# Altium PCB AB1000_BB_V6_fin.PcbDoc
Units mm, origin at the board's own origin, x right, y up, seen from the top; angles counter-clockwise.
Board outline 61.8 x 77.5 mm, 2 copper layers (Top Layer, Bottom Layer), stack 1.581 mm thick; 50 components, 46 nets, 245 pads, 69 vias.
Unrouted connection lines stored in the file: 22.
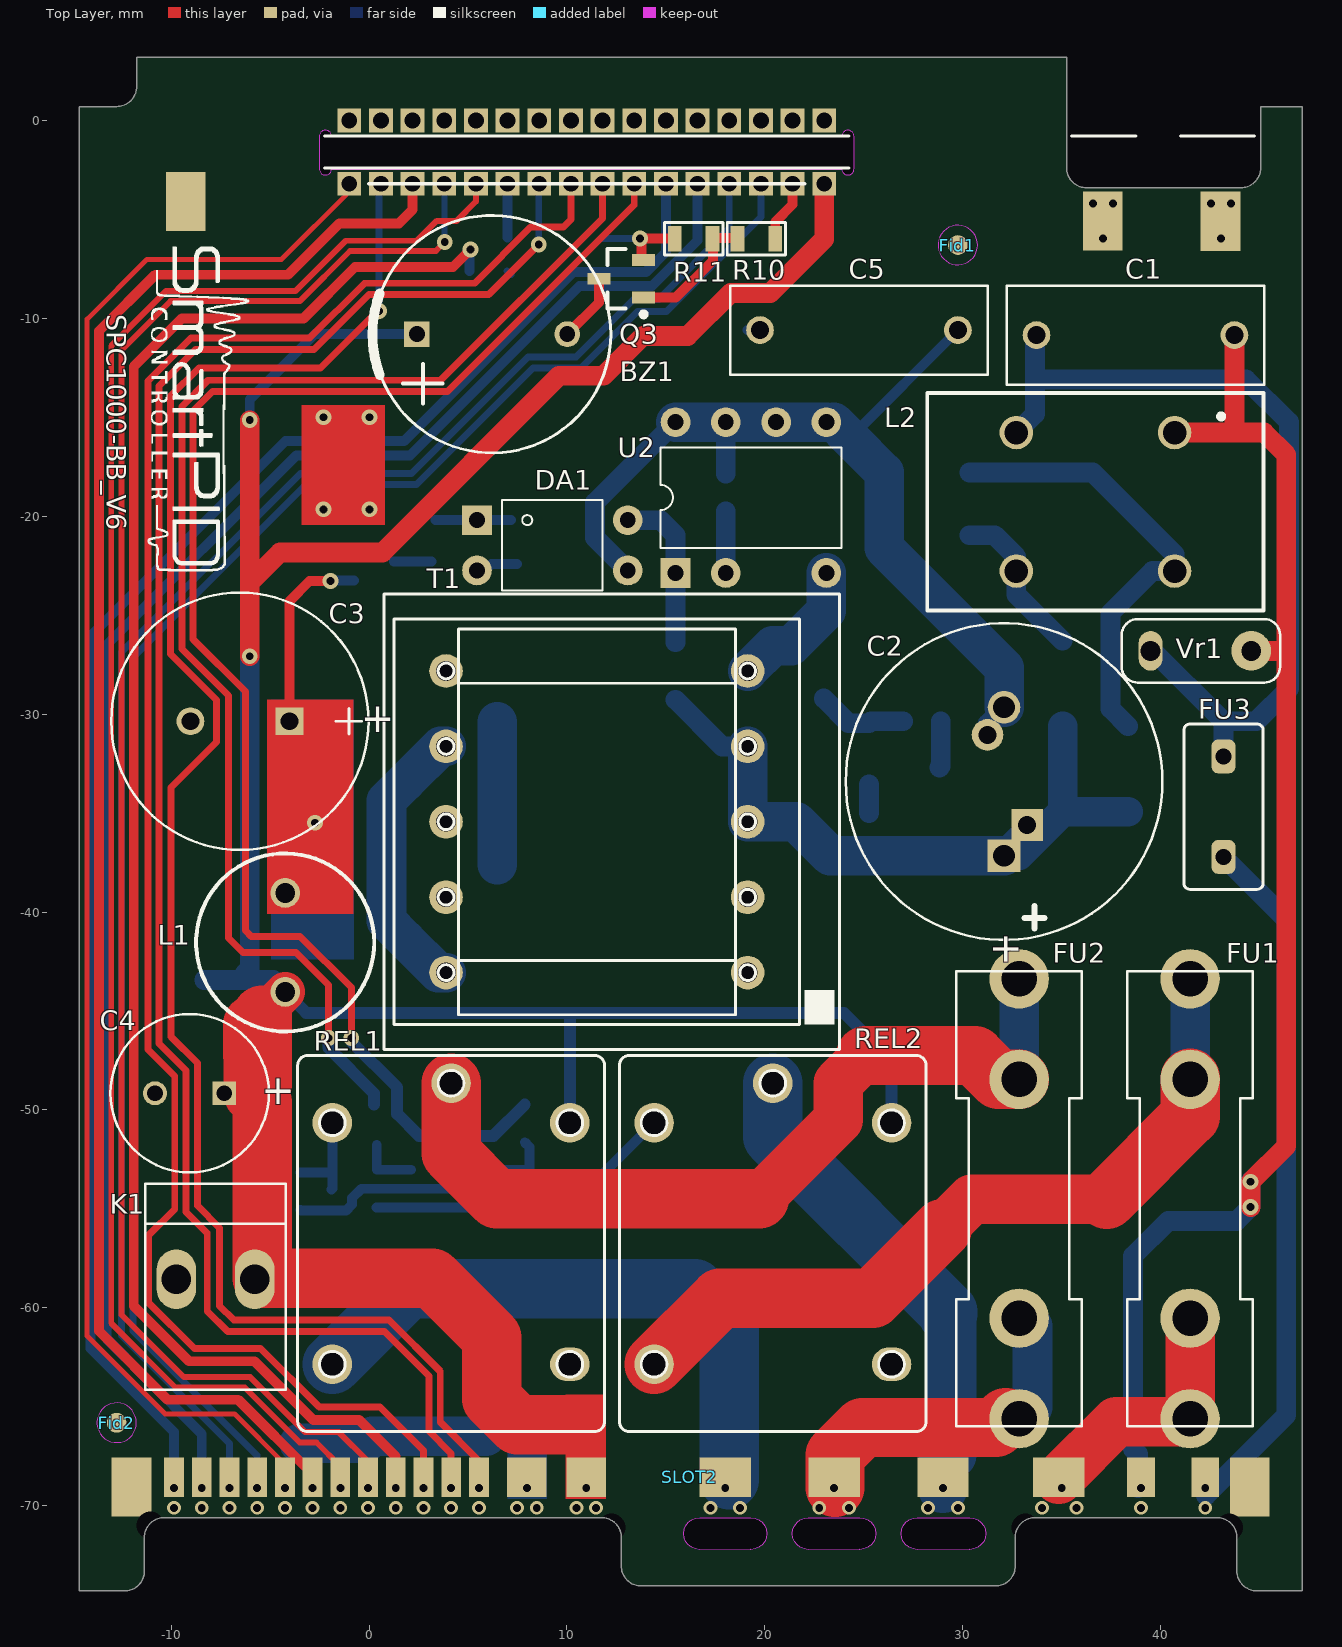
[diagram p0: Top Layer view]
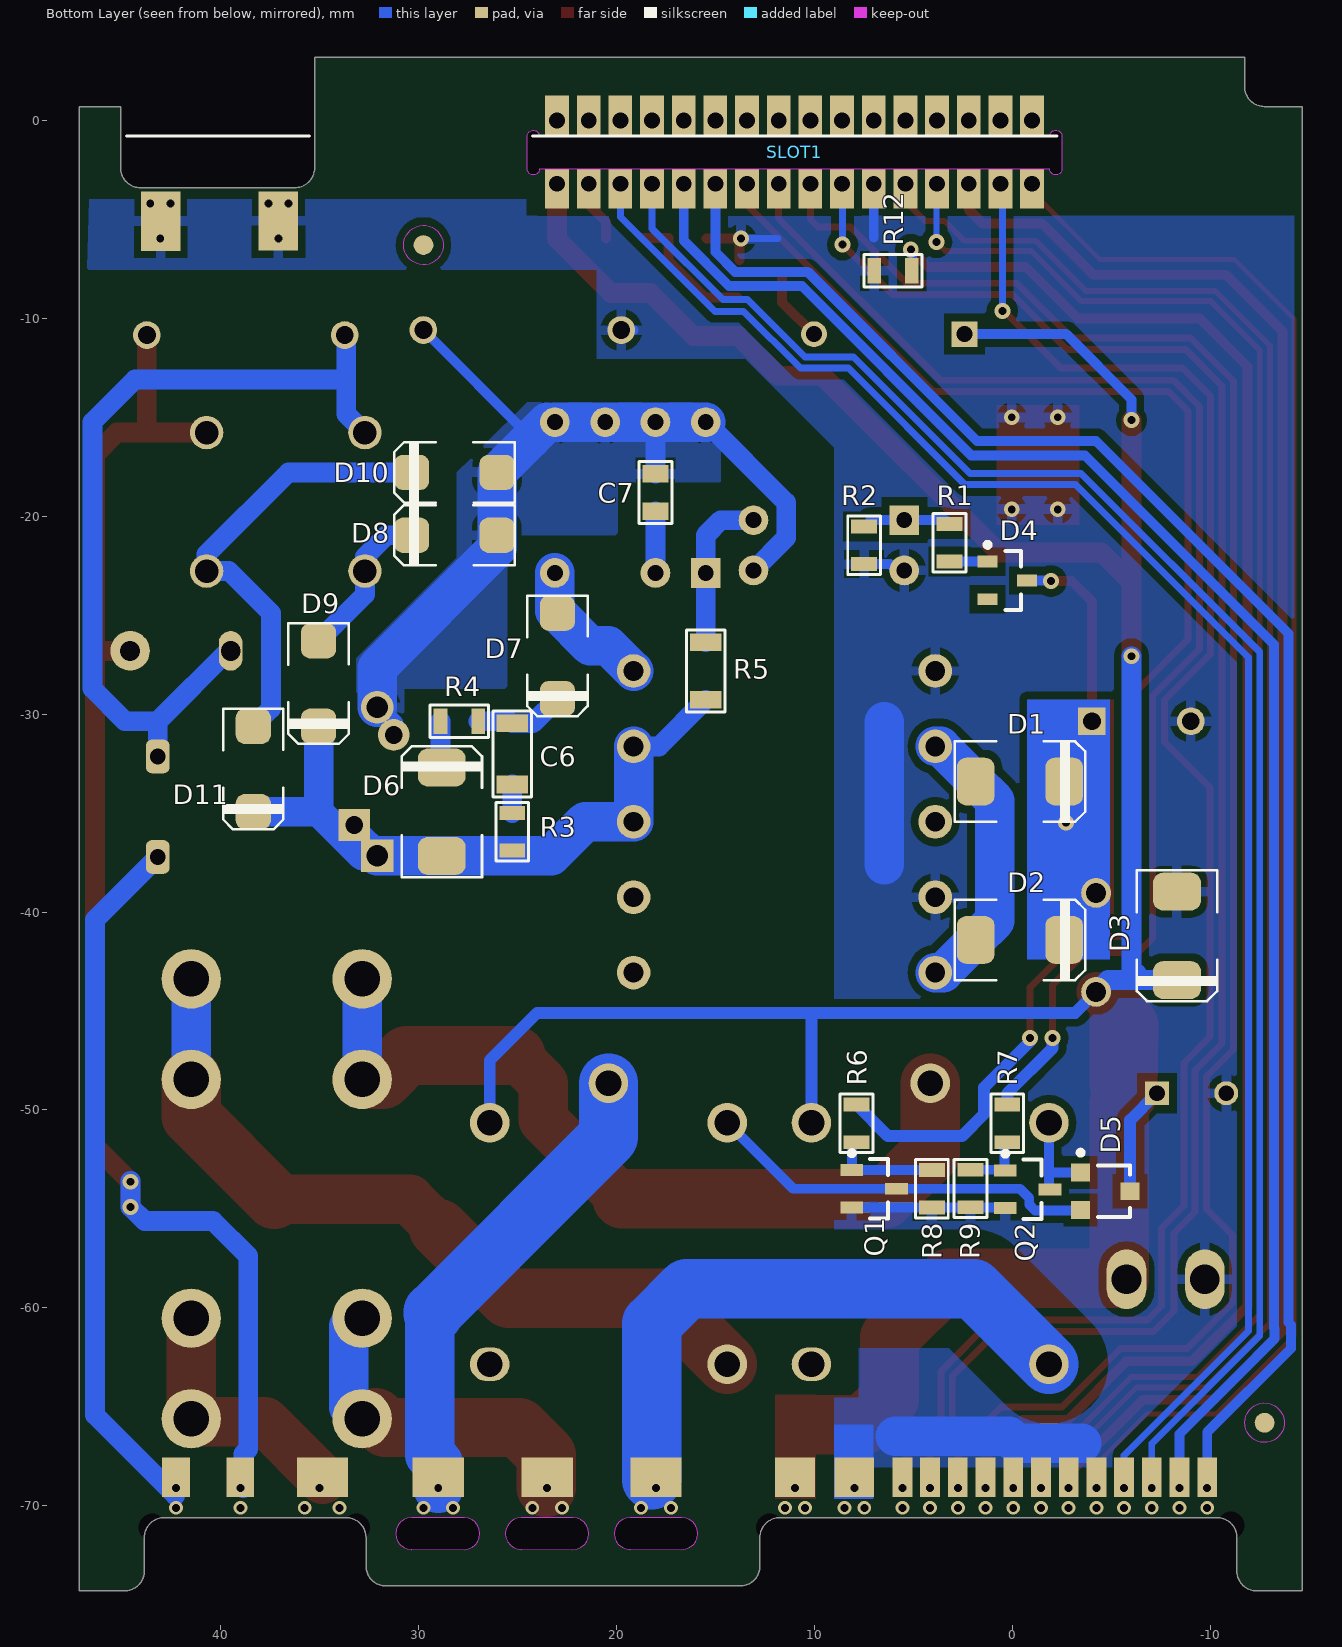
[diagram p1: Bottom Layer view, seen from below]
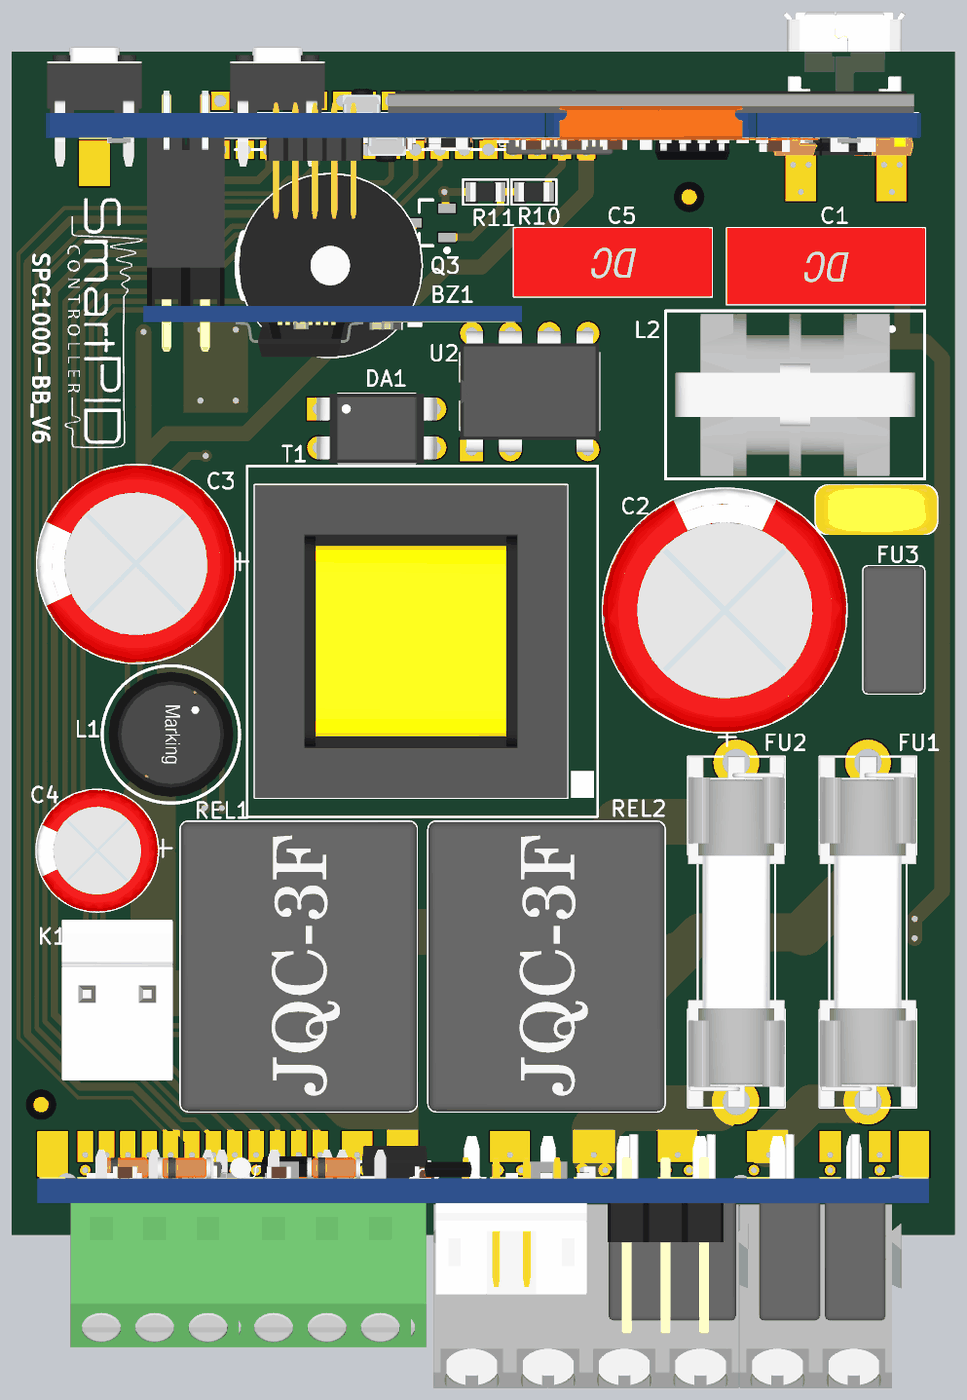
[diagram p2: 3D render of the assembled board from above, using the file's embedded part models]
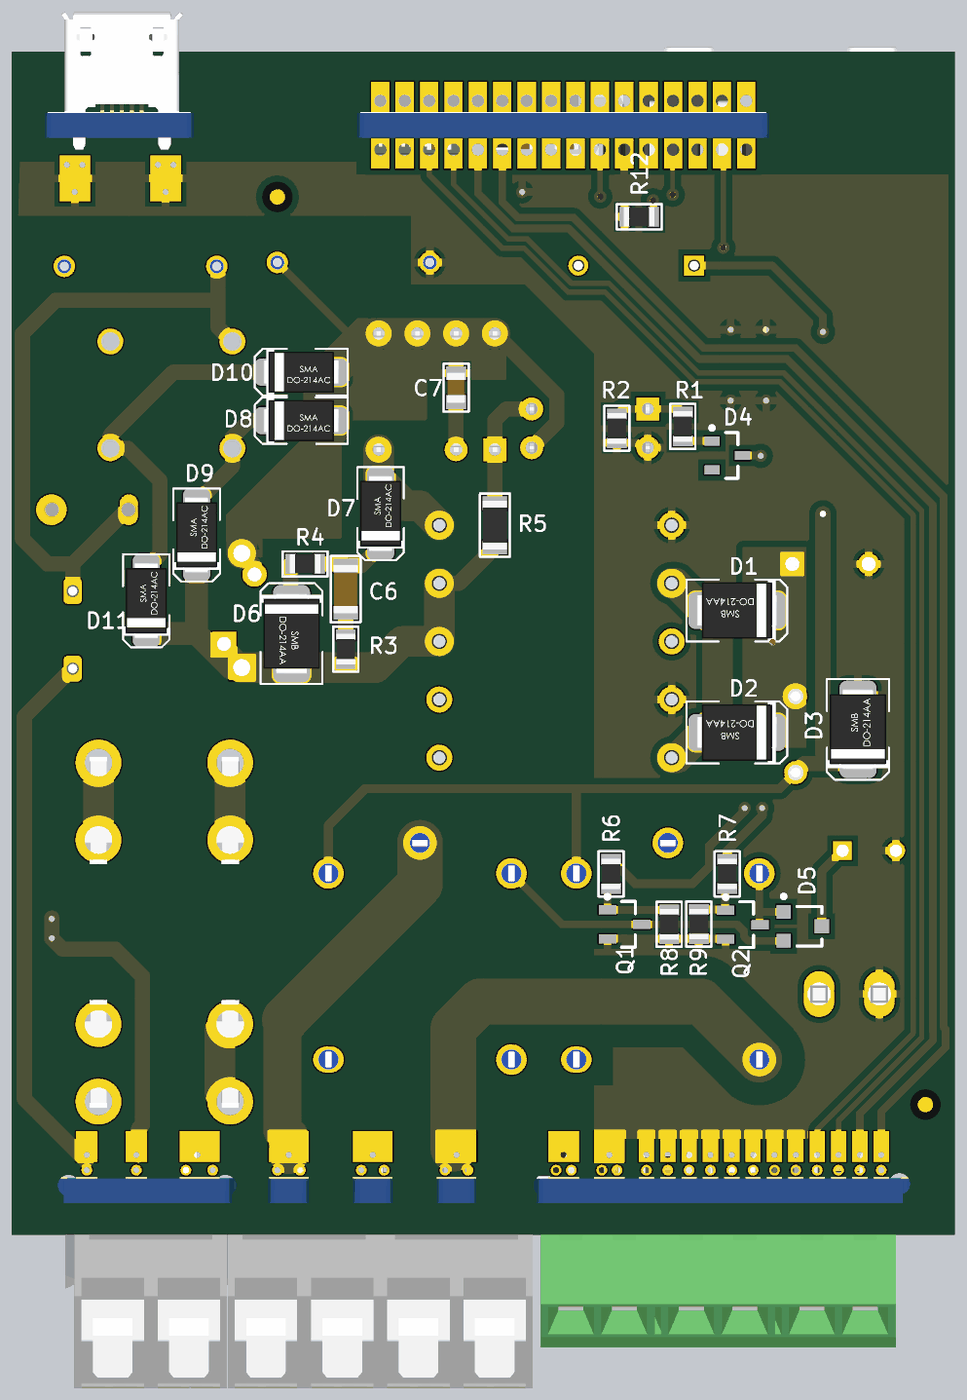
[diagram p3: 3D render of the assembled board from below, using the file's embedded part models]

## Layer stack, top to bottom
Top Solder: solder mask 0.0102, Solder Resist, Dk 3.5
Top Layer: signal copper 0.0356
Dielectric 1: core 1.51, FR-4, Dk 4.2
Bottom Layer: signal copper 0.0356
Bottom Solder: solder mask 0.0102, Solder Resist, Dk 3.5

## Board outline
-14.65,-74.3 -12.35,-74.3 ccw(c-12.35,-73.3) -11.35,-73.3 -11.35,-71.6 cw(c-10.35,-71.6) -10.35,-70.6 11.75,-70.6 cw(c11.75,-71.6) 12.75,-71.6 12.75,-73.05 ccw(c13.75,-73.05) 13.75,-74.05 31.65,-74.05 ccw(c31.65,-73.05) 32.65,-73.05 32.65,-71.6 cw(c33.65,-71.6) 33.65,-70.6 42.85,-70.6 cw(c42.85,-71.6) 43.85,-71.6 43.85,-73.293 ccw(c44.85,-73.293) 44.85,-74.293 47.143,-74.293 47.15,-74.3 47.15,0.7 45.05,0.7 45.05,-2.4 cw(c44.05,-2.4) 44.05,-3.4 36.25,-3.4 cw(c36.25,-2.4) 35.25,-2.4 35.25,3.2 -11.743,3.2 -11.743,1.7 cw(c-12.743,1.7) -12.743,0.7 -14.65,0.7
cut-out: -2.509,-2.45 ccw(c-2.202,-2.451) -1.895,-2.457 23.892,-2.457 ccw(c24.199,-2.452) 24.505,-2.453 ccw(c24.199,-2.452) 24.505,-2.453 ccw(c24.5,-2.453) 24.505,-2.453 24.505,-0.804 ccw(c24.199,-0.803) 24.505,-0.803 ccw(c24.199,-0.803) 24.505,-0.8 ccw(c24.5,-0.8) 24.505,-0.8 ccw(c24.5,-0.8) 24.505,-0.799 ccw(c24.199,-0.803) 23.892,-0.794 2.303,-0.796 -1.895,-0.796 ccw(c-2.202,-0.801) -2.509,-0.8 ccw(c-2.202,-0.801) -2.509,-0.8 ccw(c-2.503,-0.8) -2.509,-0.8

## Design rules (kind name [scope] priority, off if disabled: settings)
Clearance Clearance_poligon_HW [InNet('REL2_1') vs InNet('GND')] p1: gap=1.5
Clearance Clearance_poligon [All vs InPolygon] p2: gap=0.4
Clearance Clearance_slot [All vs InComponent('SLOT1') or InComponent('SLOT2')] p3: gap=0
Clearance [All] p4: gap=0.22
ComponentClearance [All] p1: gap=0.2 collisioncheckmode=3 verticalgap=0.254 showdistances=FALSE
PolygonConnect [All] p1: connectstyle=Relief reliefconductorwidth=0.5 reliefentries=4 polygonreliefangle="90 Angle" airgapwidth=0.35
RoutingVias [All] p1: holewidth=0.711 width=1.27 viastyle="Through Hole" minholewidth=0.4 minwidth=0.7 maxholewidth=1 maxwidth=3
SolderMaskExpansion [All] p1: expansion=0.102
Width [All] p1: maxlimit=5 minlimit=0.2 preferedwidth=0.254
29 further rules are at their usual default settings.

## Components (designator, comment, footprint, x,y, rotation, side; value= is the part's Value field where it differs from the comment)
BZ1 "BUZER" BUZZER_12x7.7 6.217,-10.8 r0 top
C1 "0.1uF" "WCAP-FTX2 10x13x11x5x4" 38.725,-10.847 r180 top
C2 "22uF 450V" "WCAP-ATUL 16x21x7.5x0.8m" 32.086,-33.406 r90 top
C3 "2200 μF" "WCAP-ATUL 13x20x5x0.6m" -6.522,-30.358 r180 top
C4 "470 μF" "WCAP-ATUL 8X11.5X3.5X0.5M" -9.062,-49.154 r180 top
C5 "2200 pF" "WCAP-FTX2 10x13x9,5x4,5x4" 24.755,-10.593 r180 top
C6 "10nF 1kV" C1206_IR 25.267,-32.009 r90 bottom
C7 "10uF 16V" C0805_IR 18.028,-18.801 r90 bottom
D1 "SS26" "DO-214AA (SMB)" -0.387,-33.406 r180 bottom
D2 "SS26" "DO-214AA (SMB)" -0.387,-41.407 r180 bottom
D3 "SMBJ13A" "DO-214AA (SMB)" -8.325,-41.2 r270 bottom
D4 "BZX84-C11" SOT23_L 0.248,-23.246 r180 bottom
D5 "BAV70" SOT-23 -4.705,-54.107 r270 bottom
D6 "SMBJ170A" "DO-214AA (SMB)" 28.823,-34.93 r90 bottom
D7 "S1M" "DO-214AC (SMA)" 22.981,-27.056 r270 bottom
D8 "S1M" "DO-214AC (SMA)" 28.188,-20.96 r0 bottom
D9 "S1M" "DO-214AC (SMA)" 35.046,-28.453 r270 bottom
D10 "S1M" "DO-214AC (SMA)" 28.188,-17.785 r0 bottom
D11 "S1M" "DO-214AC (SMA)" 38.348,-32.771 r270 bottom
DA1 "LTV817" DIL4-300a 9.265,-21.468 r270 top
Fid1 "Fiducial mark" Fiducial 29.75,-6.3 r90 top
Fid2 "Fiducial mark" Fiducial -12.75,-65.8 r90 top
FU1 "Fuse 10A" FUSE_holder_5MM 41.484,-54.488 r90 top
FU2 "Fuse 10A" FUSE_holder_5MM 32.848,-54.488 r90 top
FU3 "Fuse 0.5A" fuseRFTQ 43.174,-34.676 r180 top
K1 "PWL2S" PWL2S -7.753,-58.552 r0 top
L1 "2.2-10uH" "WE-TI 8012" -4.236,-41.534 r270 top
L2 "6 mH" WE-TFC 36.705,-19.274 r180 top
Q1 "BC817-40" SOT-23A_N 6.979,-53.98 r180 bottom
Q2 "BC817-40" SOT-23A_N -0.777,-54.008 r180 bottom
Q3 "BC817-40" SOT-23A_N 12.75,-8 r180 top
R1 "200" R0805_IR 3.169,-21.341 r270 bottom
R2 "1K" R0805_IR 7.487,-21.468 r90 bottom
R3 "100" R0805_IR 25.267,-35.946 r270 bottom
R4 "1k" R0805_IR 27.934,-30.358 r0 bottom
R5 "9.1M" R1206_IR 15.488,-27.818 r270 bottom
R6 "2K" R0805_IR 7.868,-50.678 r90 bottom
R7 "2K" R0805_IR 0.248,-50.678 r90 bottom
R8 "20K" R0805_IR 4.058,-53.98 r270 bottom
R9 "20K" R0805_IR 2.112,-53.967 r270 bottom
R10 "2K" R0805_IR 19.575,-5.975 r0 top
R11 "20K" R0805_IR 16.4,-5.975 r180 top
R12 "0" R0805_IR 6.025,-7.6 r0 bottom
REL1 "JQC3F" JQC-3F 4.146,-48.646 r90 top
REL2 "JQC3F" JQC-3F 20.402,-48.646 r90 top
SLOT1 "slot_front_panel_main_v3" FRONT_SLOT_FOR_V2.4_NCO 11,0 r0 top locked
SLOT2 "slot_rear_panel_1" REAR_PANEL_FOR_MAIN_SLOT_NCOV2 16.25,-70.6 r0 top
T1 "T74080(2)" EF20_H 11.512,-35.438 r90 top
U2 "TNY278" "DIL8-300 TNY27x" 19.298,-19.055 r0 top
Vr1 "Var 7K391" VAR-7K-200 42.031,-26.802 r0 top

## Footprints (in the part's own frame and the unit in brackets; to place one, negate y for a bottom-side part, rotate by r counter-clockwise, add the part's x,y. Pads: shape width x height; smd on the part's side, far side on the other; paste and mask are expansions set on the pad)
BUZZER_12x7.7 [mm]
  rect 1.3x1.3 hole 0.8: 1(-3.8,0)
  round 1.3 hole 0.8: 2(3.8,0)
  silkscreen extent -6.04,-6 6,6, body extent -6,-6 6,6, height 7.5
C0805_IR [mm]
  rect 0.9x1.3 smd: 1(0.95,0) 2(-0.95,0)
  silkscreen extent -1.58,-0.82 1.58,0.82, body extent -1,-0.6 1,0.6, height 0.95
C1206_IR [mm]
  rect 0.9x1.6 smd: 1(1.55,0) 2(-1.55,0)
  silkscreen extent -2.17,-0.97 2.17,0.97, body extent -1.6,-0.8 1.6,0.8, height 0.95
DIL4-300a [mm]
  rect 1.5x1.5 hole 0.8: 1(-1.27,-3.81)
  round 1.5 hole 0.8: 2(1.27,-3.81) 3(1.27,3.81) 4(-1.27,3.81)
  silkscreen extent -2.29,-2.54 2.29,2.54, body extent -2.29,-3.96 2.29,3.96, height 4.25
"DIL8-300 TNY27x" [mm]
  rect 1.5x1.5 hole 0.8: 1(-3.81,-3.81)
  round 1.5 hole 0.8: 2(-1.27,-3.81) 4(3.81,-3.81) 5(3.81,3.81) 6(1.27,3.81) 7(-1.27,3.81) 8(-3.81,3.81)
  silkscreen extent -4.58,-2.54 4.58,2.54, body extent -4.58,-3.96 4.58,3.96, height 3.88
"DO-214AA (SMB)" [mil] "DO-214-AA/SMB; 2 C-Bend Leads; Body 5.3 x 3.6 mm, inc. leads (LxW)"
  rrect50% 75x95 smd: 1(-88,0) 2(88,0)
  silkscreen extent -130,-80 130,80, body extent -104,-73 104,73, height 87
"DO-214AC (SMA)" [mil] "DO-214-AC/SMA; 2 C-Bend Leads; Body 5 x 2.7 mm, inc. leads (LxW)"
  rrect50% 70x70 smd: 1(-85,0) 2(85,0)
  silkscreen extent -120,-60 120,60, body extent -98,-53 98,53, height 85
EF20_H [mm]
  round 1.7 hole 1: 1(-7.62,-7.62) 2(-3.81,-7.62) 3(0,-7.62) 4(3.81,-7.62) 5(7.62,-7.62) 6(7.62,7.62) 7(3.81,7.62) 8(0,7.62) 9(-3.81,7.62) 10(-7.62,7.62)
  silkscreen extent -11.5,-12.25 11.5,10.75, body extent -10.25,-10.25 10.25,10.25, height 13.93
Fiducial [mm]
  round 1 smd far side paste-10 mask+0.5: 0(0,0)
  round 1 smd paste-10 mask+0.5: 0(0,0)
  Keep-Out Layer circle w0.01: c0,0 r1
FRONT_SLOT_FOR_V2.4_NCO [mm]
  rect 1.2x2 smd far side paste-3: 1(-12,-3.45) 1(-12,0.25) 2(-10.4,-3.45) 2(-10.4,0.25) 3(-8.8,-3.45) 3(-8.8,0.25) 4(-7.2,-3.45) 4(-7.2,0.25) 5(-5.6,-3.45) 5(-5.6,0.25) 6(-4,-3.45) 6(-4,0.25) 7(-2.4,-3.45) 7(-2.4,0.25) 8(-0.8,-3.45) 8(-0.8,0.25) 9(0.8,-3.45) 9(0.8,0.25) 10(2.4,-3.45) 10(2.4,0.25) 11(4,-3.45) 11(4,0.25) 12(5.6,-3.45) 12(5.6,0.25) 13(7.2,-3.45) 13(7.2,0.25) 14(8.8,-3.45) 14(8.8,0.25) 15(10.4,-3.45) 15(10.4,0.25) 16(12,-3.45) 16(12,0.25)
  rect 1.2x1.2 hole 0.8 paste-3: 1(-12,-3.2) 1(-12,0) 2(-10.4,-3.2) 2(-10.4,0) 3(-8.8,-3.2) 3(-8.8,0) 4(-7.2,-3.2) 4(-7.2,0) 5(-5.6,-3.2) 5(-5.6,0) 6(-4,-3.2) 6(-4,0) 7(-2.4,-3.2) 7(-2.4,0) 8(-0.8,-3.2) 8(-0.8,0) 9(0.8,-3.2) 9(0.8,0) 10(2.4,-3.2) 10(2.4,0) 11(4,-3.2) 11(4,0) 12(5.6,-3.2) 12(5.6,0) 13(7.2,-3.2) 13(7.2,0) 14(8.8,-3.2) 14(8.8,0) 15(10.4,-3.2) 15(10.4,0) 16(12,-3.2) 16(12,0)
  silkscreen extent -13.25,-2.4 33.75,-0.8, body extent -23.5,-16.79 34,5.8, height 24.7
FUSE_holder_5MM [mm]
  round 3 hole 1.8: 1(6.032,0) 1(11.112,0) 2(-11.112,0) 2(-6.032,0)
  silkscreen extent -11.5,-3.18 11.5,3.18, body extent -11.5,-3.18 11.5,3.18, height 9.6
fuseRFTQ [mm]
  rrect50% 1.2x1.7 hole 0.8: 1(0,-2.54) 2(0,2.54)
  silkscreen extent -2,-4.18 2,4.18, body extent -2,-4.17 2,4.18, height 7.7
JQC-3F [mm]
  round 2 hole 1.3: 1(-2,-6) 2(-2,6) 4(0,0) 5(-14.2,6)
  oval 1.7x2 hole 1.3: 3(-14.2,-6)
  silkscreen extent -17.6,-7.75 1.4,7.75, body extent -17.6,-7.75 1.4,7.75, height 15.5
PWL2S [mm]
  oval 2x3 hole 1.5: 1(1.98,0) 2(-1.98,0)
  silkscreen extent -3.56,-5.59 3.56,4.83, body extent -3.63,-5.57 3.63,4.78, height 15
R0805_IR [mm]
  rect 0.7x1.3 smd: 1(0.95,0) 2(-0.95,0)
  silkscreen extent -1.48,-0.82 1.48,0.82, body extent -1,-0.62 1,0.63, height 0.5
R1206_IR [mm]
  rect 0.9x1.6 smd: 1(1.45,0) 2(-1.45,0)
  silkscreen extent -2.07,-0.97 2.07,0.97, body extent -1.6,-0.8 1.6,0.8, height 0.55
REAR_PANEL_FOR_MAIN_SLOT_NCOV2 [mm]
  rect 1x2 smd far side paste-3: 1(-24.7,2.05) 2(-23.3,2.05) 3(-21.9,2.05) 4(-20.5,2.05) 5(-19.1,2.05) 6(-17.7,2.05) 7(-16.3,2.05) 8(-14.9,2.05) 9(-13.5,2.05) 10(-12.1,2.05) 11(-10.7,2.05) R(-26.1,2.05)
  rect 1x2 smd paste-3: 1(-24.7,2.05) 2(-23.3,2.05) 3(-21.9,2.05) 4(-20.5,2.05) 5(-19.1,2.05) 6(-17.7,2.05) 7(-16.3,2.05) 8(-14.9,2.05) 9(-13.5,2.05) 10(-12.1,2.05) 11(-10.7,2.05) R(-26.1,2.05)
  rect 2x2 smd far side paste-3: 12(-8.275,2.05) 13(-5.275,2.05)
  rect 2x2 smd paste-3: 12(-8.275,2.05) 13(-5.275,2.05)
  rect 2.6x2 smd far side paste-3: 14(1.75,2.05) 15(7.25,2.05) 16(12.75,2.05) 17(18.6,2.05)
  rect 2.6x2 smd paste-3: 14(1.75,2.05) 15(7.25,2.05) 16(12.75,2.05) 17(18.6,2.05)
  rect 1.4x2 smd far side paste-3: 18(22.75,2.05) 19(26,2.05)
  rect 1.4x2 smd paste-3: 18(22.75,2.05) 19(26,2.05)
  Keep-Out Layer board cut-out: 11.45,-1.607 11.241,-1.58 11.046,-1.499 10.879,-1.371 10.751,-1.204 10.67,-1.009 10.643,-0.8 10.67,-0.591 10.751,-0.396 10.879,-0.229 11.046,-0.101 11.241,-0.02 11.45,0.007 11.45,0 14.1,0.007 14.309,-0.02 14.504,-0.101 14.671,-0.229 14.799,-0.396 14.88,-0.591 14.907,-0.8 14.907,-0.8 14.88,-1.009 14.799,-1.204 14.671,-1.371 14.504,-1.499 14.309,-1.58 14.1,-1.607 14.1,-1.6
  Keep-Out Layer board cut-out: 5.95,-1.607 5.741,-1.58 5.546,-1.499 5.379,-1.371 5.251,-1.204 5.17,-1.009 5.143,-0.8 5.17,-0.591 5.251,-0.396 5.379,-0.229 5.546,-0.101 5.741,-0.02 5.95,0.007 5.95,0 8.55,0.007 8.759,-0.02 8.954,-0.101 9.121,-0.229 9.249,-0.396 9.33,-0.591 9.357,-0.8 9.357,-0.8 9.33,-1.009 9.249,-1.204 9.121,-1.371 8.954,-1.499 8.759,-1.58 8.55,-1.607 8.55,-1.6
  Keep-Out Layer board cut-out: 0.45,-1.607 0.241,-1.58 0.046,-1.499 -0.121,-1.371 -0.249,-1.204 -0.33,-1.009 -0.357,-0.8 -0.33,-0.591 -0.249,-0.396 -0.121,-0.229 0.046,-0.101 0.241,-0.02 0.45,0.007 0.45,0 3.05,0.007 3.259,-0.02 3.454,-0.101 3.621,-0.229 3.749,-0.396 3.83,-0.591 3.857,-0.8 3.857,-0.8 3.83,-1.009 3.749,-1.204 3.621,-1.371 3.454,-1.499 3.259,-1.58 3.05,-1.607 3.05,-1.6
  body extent -29.25,-13.75 29.25,2.85, height 22.8
SOT23_L [mm] "SOT23, 3-Leads, Body 2.9x1.3mm, Pitch 0.95mm, Lead Span 2.3mm, IPC High Density"
  rect 1x0.6 smd: 1(-1,0.95) 2(-1,-0.95) 3(1,0)
  silkscreen extent -1.13,-1.5 0.7,1.92, body extent -0.7,-1.5 0.7,1.5, height 1.1
SOT-23 [mm] "SOT-23; 3 Leads; Body 3.0 x 2.6 mm, inc. leads (LxW max)"
  rect 0.9x0.95 smd: 1(-0.95,-1.25) 2(0.95,-1.25) 3(0,1.25)
  silkscreen extent -2.07,-1.38 1.3,1.25
SOT-23A_N [mm] "SOT23, 3-Leads, Body 2.9x1.3mm, Pitch 0.95mm, Lead Span 2.3mm, IPC Medium Density"
  rect 1.15x0.6 smd: 1(-1.125,0.95) 2(-1.125,-0.95) 3(1.125,0)
  silkscreen extent -1.25,-1.5 0.7,1.92, body extent -0.7,-1.5 0.7,1.5, height 1.09
VAR-7K-200 [mm]
  oval 1.2x2 hole 1: 1(-2.54,0)
  round 2 hole 1: 2(2.54,0)
  silkscreen extent -4,-1.6 4,1.6, body extent -4,-1.66 4,1.65, height 11
"WCAP-ATUL 8X11.5X3.5X0.5M" [mm] "Polarized capacitors, Aluminum Electrolytic Capacitors, 2-Leads, Body 8x11.5x3.5x0.5"
  rect 1.206x1.206 hole 0.8: 1(-1.75,0)
  round 1.206 hole 0.8: 2(1.75,0)
  silkscreen extent -4,-4 4,4, body extent -3.99,-4 3.99,4, height 11.76
"WCAP-ATUL 13x20x5x0.6m" [mm] "Polarized capacitors, Aluminum Electrolytic Capacitors, 2-Leads, Body 13x20x5x0.6"
  rect 1.4x1.4 hole 0.9: 1(-2.5,0)
  round 1.4 hole 0.9: 2(2.5,0)
  silkscreen extent -6.5,-6.5 6.5,6.5, body extent -6.5,-6.5 6.49,6.49, height 20.17
"WCAP-ATUL 16x21x7.5x0.8m" [mm] "Polarized capacitors, Aluminum Electrolytic Capacitors, 2-Leads, Body 16x21x7.5x0.8"
  rect 1.65x1.65 hole 1.1: 1(-3.75,0)
  round 1.65 hole 1.1: 2(3.75,0)
  silkscreen extent -8,-8 8,8, body extent -7.99,-8 8,7.99, height 21.17
"WCAP-FTX2 10x13x9,5x4,5x4" [mm] "Film Capacitors, 2-Leads, Body 10x13x9,5x4,5"
  round 1.4 hole 0.9: 1(-5,0) 2(5,0)
  silkscreen extent -6.5,-2.25 6.5,2.25, body extent -6.5,-2.25 6.5,2.25, height 9.51
"WCAP-FTX2 10x13x11x5x4" [mm] "Film Capacitors, 2-Leads, Body 10x13x11x5"
  round 1.4 hole 0.9: 1(-5,0) 2(5,0)
  silkscreen extent -6.5,-2.5 6.5,2.5, body extent -6.5,-2.5 6.5,2.5, height 11.36
WE-TFC [mm] "PTH Inductor, 4-Leads, Body 17x11mm"
  round 1.69 hole 1.19: 1(-4,-3.5) 2(-4,3.5) 3(4,3.5) 4(4,-3.5)
  silkscreen extent -8.5,-5.5 8.5,5.5, body extent -7.85,-5.3 7.85,5.3, height 15.76
"WE-TI 8012" [mm] "THT Inductor, 2-Leads, Body 8,0  mm"
  round 1.5 hole 1: 1(-2.5,0) 2(2.5,0)
  silkscreen extent -4.5,-4.5 4.5,4.5, body extent -4.09,-4.07 4.09,4.1, height 13.5

## Part data
C1: library part "WCAP-FTX2 10x13x11x5 890324023010CS", "WCAP-FTX2 Film Capacitors, C=18000 pF"
C2: library part "WCAP-ATUL 16x21x7.5x0.8 860040580016", "WCAP-ATUL Aluminum Electrolytic Capacitors , 1200 ?F; + / - 20%; 35 V , 16 x 21"
C3: library part "WCAP-ATUL 13x20x5x0.6 860040278013", "WCAP-ATUL Aluminum Electrolytic Capacitors , 2200 ?F; + / - 20%; 10 V , 13 x 20"
C4: library part "WCAP-ATUL 8x11.5x3.5x0.5 860040274004", "WCAP-ATUL Aluminum Electrolytic Capacitors , 470 ?F; + / - 20%; 10 V , 8 x 11,5"
C5: library part "WCAP-FTX2 10x13x9,5x4,5 890324023011CS", "WCAP-FTX2 Film Capacitors, C=2200 pF"
C6 C7: library part CapSMD, "Capacitor"
D1 D2: library part 1SMB59xxBT3, "SMD-SMB 3W"
D3 D6: library part SMBJ18A, "TVS SMB 600W 18V"
D4: "Voltage Regulator Diode"
D5: "Silicon Switching Diode Array with Common Cathode for High-Speed Switching"
D7 D8 D9 D10 D11: library part BZD17, "BZD17  SMD-SMA 0.8W"
Fid1 Fid2: library part Fiducial, "Fiducial Mark"
FU1 FU2: library part FUSE_holder_5x20, "5mm 15A"
FU3: library part "FUSE- RFTQ", "5mm 15A"
K1: "3.96mm 7A/250V"
L1: library part "WE-TI 8012, 7447452101", "Radial Leaded Wire Wound Inductor WE-TI, L=100 µH"
L2: library part "WE-TFC UT, 744862018", "PTH-Common Mode Power Line Choke WE-TFC, L=1.8 mH"
Q1 Q2 Q3: "NPN General Purpose Amplifier"
R1 R2 R3 R4 R5 R6 R7 R8 R9 R10 R11 R12: library part ResSMD, "Resistor"
REL1 REL2: library part JQC-3F, "JQC Relay"
SLOT1: library part slot_front_panel_main_v2_1
T1: library part T74080_2, "Off-Line Transformer"
U2: "28W 0.55A 132kHz"
Vr1: "Варистор 7mm"

## Free pads (board coordinates)
  rect 1.6x1.6 hole 0.9: C+(33.25,-35.6)
  round 1.6 hole 0.9: C-(31.25,-31.05)
  round 0.2 hole 1.4 unplated paste-3 mask-3: cu14(-11.043,-70.991) cu14(12.25,-71.1) cu14(33.15,-71.1) cu14(43.45,-71.1)
  rect 2x3 smd paste-3: SM(-12,-69.05) SM(-9.25,-4.1) SM(37.078,-5.085) SM(43.023,-5.091) SM(44.5,-69.05)
  rect 2x3 smd far side paste-3: SM(37.078,-5.085) SM(43.023,-5.091)

## Via types
v1: diameter 0.7, hole 0.4, Top Layer to Bottom Layer, 46 vias
v2: diameter 0.8, hole 0.4, Top Layer to Bottom Layer, tented both sides, 23 vias

## Nets (pads, with @x,y where several pads share a name; then routed paths per layer and width w, separated by ;. In a path a pad name is that pad's centre, name@x,y a point inside that pad or via, vN(x,y) a via of type N, cw(c..) or ccw(c..) an arc to the next point about the centre after c; other vN are vias at no path point)
12V: BZ1.1 C4.1 D3.2 D5.3 K1.1 L1.2 REL1.1 REL2.1 SLOT1.16 SLOT2.13 | length 172.4
  Top Layer w1: v2(-6.025,-15.146) v2(-6.025,-27.075) -6.025,-23.345 -4.505,-21.825 0.675,-21.825 9.6,-12.9 11.85,-12.9 13.85,-10.9 16.1,-10.9 18.275,-8.725 20.275,-8.725 23,-6 SLOT1.16@23,-3.2
  Top Layer w2: -5.4,-45.198 L1.2
  Top Layer w3: -5.887,-45.686 -5.848,-49.154 -5.4,-48.706 -5.4,-45.198 ; -5.4,-49.602 -5.4,-58.5 3.2,-58.5 6.2,-61.5 6.2,-64.6 7.5,-65.9 10.25,-65.9
  Bottom Layer w0.5: v2(-6.025,-15.146) -6.025,-14.1 -2.725,-10.8 BZ1.1
  Bottom Layer w0.6: C4.1 -5.955,-50.511 D5.3 ; L1.2 -3.18,-45.09 23.997,-45.09 26.402,-47.495 REL2.1 ; REL1.1 10.146,-45.225
  Bottom Layer w1: D3.2 -4.835,-43.435 ; v2(-6.025,-27.075) -6.025,-42.84 -6.28,-43.095 -5.94,-43.435 -4.835,-43.435 ; L1.2 -4.835,-43.435
  other v1: -9.85,-70.1 -8.45,-70.1 -7.05,-70.1 -5.65,-70.1 -4.25,-70.1 -2.85,-70.1 -1.45,-70.1 -0.05,-70.1 2.75,-70.1 4.15,-70.1 5.55,-70.1 10.475,-70.1 11.475,-70.1 -9.85,-69.1 -8.45,-69.1 -7.05,-69.1 -5.65,-69.1 -4.25,-69.1 -2.85,-69.1 -1.45,-69.1 -0.05,-69.1 2.75,-69.1 4.15,-69.1 5.55,-69.1 10.975,-69.1
12VL: C3.1 D1.2 D2.2 D4.3 L1.1 | length 9.8
  Top Layer w0.5: C3.1 -4.022,-24.297 -3,-23.275 v2(-1.95,-23.275)
  Bottom Layer w0.5: v2@-1.95,-23.246 D4.3
  other v2: -2.724,-35.489
AC1: FU3.2 SLOT2.19 | length 35.3
  Bottom Layer w1: SLOT2.19@42.285,-69.474 46.349,-65.41 46.349,-40.391 FU3.2
  other v1: 42.25,-70.1 42.25,-69.1
AC2: C1.1 L2.1 SLOT2.18 Vr1.2 | length 71.8
  Top Layer w1: L2.1 43.809,-15.774 ; C1.1 43.725,-15.69 43.809,-15.774 ; v2(44.546,-54.894) v2(44.546,-53.624) 46.349,-51.821 46.349,-26.675 ; Vr1.2 46.222,-26.802 46.349,-26.675 ; 43.809,-15.774 45.227,-15.774 46.349,-16.896 46.349,-26.675
  Bottom Layer w1: SLOT2.18@38.856,-69.1 38.856,-67.383 38.602,-67.129 38.602,-57.384 40.38,-55.606 43.834,-55.606 v2(44.546,-54.894) v2(44.546,-53.624) v2@44.546,-53.574
  other v1: 39,-70.1 39,-69.1
AGND: R12.2 SLOT2.8 | length 86
  Top Layer w0.5: v1(1.35,-69.1) 1.35,-68.55 1.35,-67.5 -0.495,-65.655 -2.82,-65.655 -5.78,-62.695 -9.094,-62.695 -11.885,-59.904 -11.885,-12.431 -9.454,-10 -3.3,-10 -0.7,-7.4 4.25,-7.4 v2(5.125,-6.525)
  Bottom Layer w0.5: R12.2 5.075,-6.575 v2(5.125,-6.525)
  other v1: 1.35,-70.1
D33V: SLOT1.12 SLOT2.1 | length 85.8
  Bottom Layer w0.5: SLOT2.1@-8.45,-69.1 -8.45,-68.55 -8.45,-66.364 -11.348,-63.466 -13.254,-61.56 -13.254,-61.054 -13.23,-61.03 -13.23,-26.48 -3.675,-16.925 2.075,-16.925 10.63,-8.37 14.305,-8.37 16.6,-6.075 16.6,-3.45 SLOT1.12@16.6,-3.2
DRAIN: D7.1 T1.5 U2.4 | length 7.1
  Bottom Layer w1.5: D7.1 D7.1@23.108,-24.77
  Bottom Layer w2: T1.5 20.402,-26.548 21.33,-26.548 D7.1 ; D7.1@23.108,-24.77 U2.4
GAC: C2.2 C5.1 C7.1 D8.1 D10.1 DA1.3 pad.C- U2.5 U2.6 U2.7 U2.8 | length 47.9
  Bottom Layer w0.5: 24.314,-16.07 24.314,-16.034 C5.1
  Bottom Layer w1: DA1.3 11.424,-21.087 11.424,-19.309 U2.8 ; C7.1 U2.7 ; pad.C- 31.25,-30.492 C2.2
  Bottom Layer w1.5: U2.5 U2.5@23.489,-15.245
  Bottom Layer w2: U2.8 U2.7 U2.6 U2.5 ; U2.5@23.489,-15.245 24.314,-16.07 D10.1 D8.1 26.029,-21.595 32.086,-27.652 C2.2
GND: C3.2 C4.2 C5.2 D3.1 DA1.2 K1.2 pad.SM@37.078,-5.085 pad.SM@43.023,-5.091 Q1.2 Q2.2 Q3.2 R2.2 R8.1 R9.1 R11.1 R12.1 SLOT1.6 SLOT2.12 T1.6 T1.9 | length 36.2
  Top Layer w0.35: -0.4,-17.3 0.1,-16.8 ; v2(0.025,-19.65) 0.475,-19.65
  Top Layer w0.5: Q3.2@13.775,-7.05 13.775,-6.05 v2(13.7,-5.975) R11.1
  Bottom Layer w0.35: R12.1 R12.1@7.175,-7.8 ; 11.825,-5.975 v2(13.7,-5.975)
  Bottom Layer w0.5: Q2.2@0.377,-54.93 Q1.2 ; DA1.2 5.862,-22.738 6.182,-22.418 R2.2 ; 7,-5.925 7,-3.45 SLOT1.6@7,-3.2 ; C5.2@19.124,-10.593 C5.2
  Bottom Layer w2: -3.511,-66.846 -0.197,-66.846 0.172,-66.477 5.912,-66.477 ; 6.471,-37.597 6.471,-30.397
  other v1: 7.475,-70.1 8.475,-70.1 7.975,-69.1
  other v2: -2.3,-19.65 -2.3,-15 0.025,-15 37.078,-5.974 43.047,-5.974 36.57,-4.196 37.586,-4.196 42.539,-4.196 43.555,-4.196
GND_D33V: SLOT1.4 SLOT1.11 SLOT2.R | length 85.9
  Top Layer w0.25: SLOT2.R@-9.75,-69.1 SLOT2.R@-9.75,-68.55
  Bottom Layer w0.5: SLOT2.R@-9.85,-69.1 -9.85,-68.55 -9.85,-66.275 -14.077,-62.048 -14.077,-60.859 -13.95,-60.732 -13.95,-25.925 -4.225,-16.2 1.782,-16.2 10.332,-7.65 14.007,-7.65 15,-6.657 SLOT1.11@15,-3.2
GROVE_SCK: SLOT1.13 SLOT2.2 | length 86.3
  Bottom Layer w0.35: SLOT2.2@-7.05,-69.1 -7.05,-68.55 -7.05,-66.852 -12.505,-61.397 -12.505,-26.87 -3.465,-17.83 2.145,-17.83 8.025,-11.95 10.469,-11.95 13.369,-9.05 14.625,-9.05 18.2,-5.475 18.2,-3.45 SLOT1.13@18.2,-3.2
GROVE_SDA: SLOT1.14 SLOT2.3 | length 87.2
  Bottom Layer w0.35: SLOT2.3@-5.65,-69.1 -5.65,-68.55 -5.65,-67.446 -11.935,-61.161 -11.935,-27.145 -3.19,-18.4 2.4,-18.4 8.28,-12.52 10.705,-12.52 13.575,-9.65 15.025,-9.65 19.8,-4.875 19.8,-3.45 SLOT1.14@19.8,-3.2
HV: C2.1 D6.1 D9.2 D11.2 pad.C+ R3.1 R5.1 T1.3 T1.4 | length 35.6
  Bottom Layer w1: R5.1 17.848,-31.628 T1.4 ; C2.1 C2.1@32.82,-37.156
  Bottom Layer w1.5: C2.1 33.25,-35.992 pad.C+ ; C2.1@32.82,-37.156 35.046,-34.93 ; D9.2 35.046,-34.93 ; D11.2 35.046,-34.93
  Bottom Layer w2: T1.4 T1.3 21.584,-35.438 23.302,-37.156 C2.1
NetBZ1_2: BZ1.2 Q3.3 | length 3.5
  Top Layer w0.5: BZ1.2 11.625,-9.192 Q3.3
NetC1_2: C1.2 FU3.1 L2.4 Vr1.1 | length 43.4
  Bottom Layer w1: L2.4 33.649,-14.831 33.649,-13.086 ; C1.2@33.776,-10.927 33.649,-11.054 33.649,-13.086 ; Vr1.1@39.491,-26.675 43.174,-30.358 ; FU3.1 43.174,-30.358 ; 33.649,-13.086 44.317,-13.086 46.476,-15.245 46.476,-28.707 44.825,-30.358 43.174,-30.358
NetC6_1: C6.1 D7.2 R4.2 | length 4.6
  Bottom Layer w1: D7.2 24.225,-30.459 C6.1 25.368,-30.358 R4.2
NetC6_2: C6.2 R3.2 | length 1.4
  Bottom Layer w1: R3.2 C6.2
NetC7_2: C7.2 U2.2 | length 3.1
  Bottom Layer w1: U2.2 C7.2
NetD1_1: D1.1 D2.1 T1.7 T1.10 | length 14.3
  Bottom Layer w2: T1.10 3.499,-43.058 D2.1 0.883,-40.442 0.883,-34.371 D1.1 3.626,-31.628 T1.7
NetD4_1: D4.1 R1.1 | length 1.9
  Bottom Layer w0.5: D4.1 R1.1@3.164,-22.296
NetD5_1: D5.1 Q2.3 REL1.2 | length 5
  Bottom Layer w0.5: D5.1 -1.92,-53.157 -1.854,-53.091 ; Q2.3 -1.854,-53.961 -1.854,-53.091 ; REL1.2 -1.854,-53.091
NetD5_2: D5.2 Q1.3 REL2.2 | length 19.9
  Bottom Layer w0.5: D5.2 -3.441,-55.071 -1.149,-55.071 -0.857,-54.778 -0.857,-54.45 -0.387,-53.98 Q1.3 11.068,-53.98 REL2.2
NetD6_2: D6.2 R4.1 | length 2.4
  Bottom Layer w1: D6.2 28.884,-32.634 R4.1
NetD8_2: D8.2 D9.1 L2.3 | length 8
  Bottom Layer w1: D8.2 31.617,-20.96 32.705,-22.048 L2.3 32.705,-23.953 D9.1
NetD10_2: D10.2 D11.1 L2.2 | length 23.1
  Bottom Layer w1: D10.2 36.57,-17.785 40.705,-21.92 L2.2 39.582,-22.774 37.459,-24.897 37.459,-29.723 D11.1
NetDA1_1: DA1.1 R1.2 R2.1 | length 3.8
  Bottom Layer w0.5: R1.2@3.362,-20.198 DA1.1 R2.1@7.167,-20.198
NetDA1_4: DA1.4 R5.2 U2.1 | length 8.1
  Bottom Layer w1: DA1.4 14.726,-20.198 15.488,-20.96 U2.1 ; R5.2 U2.1
NetFU1_1: FU1.1 REL2.5 | length 39.3
  Top Layer w2.5: 28.975,-55.987 30.449,-54.513 37.281,-54.513
  Top Layer w3: REL2.5 17.731,-59.517 25.445,-59.517 28.975,-55.987 ; 37.281,-54.513 41.484,-50.311 FU1.1@41.484,-48.392
  Bottom Layer w2: FU1.1@41.484,-48.455 FU1.1@41.484,-43.375
NetFU2_1: FU2.1 REL1.4 | length 42.9
  Top Layer w2.5: 19.712,-54.488 23.7,-50.5 23.7,-48.638 25.089,-47.249
  Top Layer w3: REL1.4 4.146,-52.188 6.446,-54.488 19.712,-54.488 ; 25.089,-47.249 30.601,-47.249 31.807,-48.455 FU2.1@32.848,-48.455
  Bottom Layer w2: FU2.1@32.848,-48.455 FU2.1@32.848,-43.375
NetQ1_1: Q1.1 R6.2 R8.2 | length 5.5
  Bottom Layer w0.5: R8.2 Q1.1 8.104,-51.864 R6.2
NetQ2_1: Q2.1 R7.2 R9.2 | length 3
  Bottom Layer w0.5: R7.2@0.39,-51.77 0.39,-53.017 R9.2
NetQ3_1: Q3.1 R10.2 R11.2 | length 6.6
  Top Layer w0.5: Q3.1 15.5,-8.95 17.375,-7.075 17.375,-5.95 R10.2@18.6,-5.95
RA33V: SLOT1.3 SLOT2.5 | length 84.7
  Top Layer w0.5: SLOT2.5@-2.85,-69.1 -2.85,-68.55 -2.85,-68.4 -6.61,-64.64 -10.174,-64.64 -13.645,-61.169 -13.645,-10.645 -10.8,-7.8 -4.1,-7.8 -1.5,-5.2 1.515,-5.2 2.2,-4.515 SLOT1.3@2.2,-3.2
RBUZ: R10.1 SLOT1.15 | length 3.4
  Top Layer w0.5: R10.1 20.525,-5.125 21.4,-4.25 SLOT1.15@21.4,-3.2
  Bottom Layer w0.5: SLOT1.15@21.4,-3.45 SLOT1.15@21.4,-3.2
REL1_1: REL2.4 SLOT2.16 | length 24.4
  Bottom Layer w2.5: v1(29,-69.1) 29,-67.849 29.433,-67.417 29.433,-60.483 29.25,-60.3
  Bottom Layer w3: REL2.4 20.402,-51.35 29.25,-60.198 29.25,-60.3
  other v1: 28.25,-70.1 29.75,-70.1
REL1_2: FU1.2 pad.cu14@33.15,-71.1 SLOT2.17 | length 12.8
  Top Layer w2.5: SLOT2.17@34.85,-68.654 37.764,-65.74 FU1.2@41.396,-65.74 ; FU1.2@41.484,-65.6 FU1.2@41.484,-60.52
  other v1: 34,-70.1 35.75,-70.1 35,-69.1
REL2_1: REL1.5 SLOT2.14 | length 30.3
  Bottom Layer w3: REL1.5 1.957,-59.035 16.453,-59.035 18.206,-60.787 SLOT2.14@18.206,-68.687
  other v1: 17.25,-70.1 18.75,-70.1 18,-69.1
REL2_2: FU2.2 SLOT2.15 | length 16.7
  Top Layer w3: SLOT2.15@23.547,-69.073 23.547,-67.435 24.937,-66.045 31.668,-66.045 FU2.2@32.176,-65.537
  Bottom Layer w2: FU2.2@32.949,-65.6 33.522,-65.028 33.522,-60.914 FU2.2@32.988,-60.38
  other v1: 22.75,-70.1 24.25,-70.1 23.5,-69.1
RFET1: SLOT1.8 SLOT2.9 | length 93.1
  Top Layer w0.35: SLOT2.9@2.75,-69.1 2.75,-68.55 2.75,-67.2 0.56,-65.01 -2.515,-65.01 -5.475,-62.05 -8.827,-62.05 -11.128,-59.749 -11.128,-56.31 -9.814,-54.996 -9.814,-48.3 -11.175,-46.939 -11.175,-13.175 -9.002,-11.002 -3.011,-11.002 -0.239,-8.23 5.32,-8.23 8.171,-5.379 9.821,-5.379 10.2,-5 SLOT1.8@10.2,-3.2
RFET2: SLOT1.7 SLOT2.10 | length 91.7
  Top Layer w0.35: SLOT2.10@4.15,-69.1 4.15,-68.55 4.15,-67.35 3.03,-66.23 3.03,-63.436 0.781,-61.187 -7.138,-61.187 -8.175,-60.15 -8.175,-56.225 -9.244,-55.156 -9.244,-48 -10.605,-46.639 -10.605,-13.411 -8.766,-11.572 -2.775,-11.572 -0.003,-8.8 6.05,-8.8 v2(8.575,-6.275)
  Bottom Layer w0.35: v2(8.575,-6.275) 8.575,-3.475 8.6,-3.45 SLOT1.7@8.6,-3.2
RREL1: R6.1 SLOT1.10 | length 76.5
  Top Layer w0.35: v2(-0.895,-46.36) -0.895,-43.82 -3.49,-41.225 -5.95,-41.225 -6.25,-40.925 -6.25,-28.85 -8.885,-26.215 -8.885,-14.685 -7.9,-13.7 3.975,-13.7 13.4,-4.275 SLOT1.10@13.4,-3.2
  Bottom Layer w0.6: v2(-0.895,-46.36) -0.895,-46.545 1.418,-48.858 1.418,-50.197 2.534,-51.313 6.283,-51.313 R6.1
RREL2: R7.1 SLOT1.9 | length 67.8
  Top Layer w0.35: v2(-2.038,-46.36) -2.038,-43.693 -3.689,-42.042 -6.358,-42.042 -7.1,-41.3 -7.1,-29.069 -9.455,-26.714 -9.455,-14.449 -8.136,-13.13 3.62,-13.13 11.8,-4.95 SLOT1.9@11.8,-3.2
  Bottom Layer w0.6: v2(-2.038,-46.36) -2.038,-46.868 0.248,-49.154 R7.1
RRES1: SLOT1.1 SLOT2.4 | length 81.6
  Top Layer w0.25: SLOT2.4@-4.25,-69.1 -4.25,-68.55 -4.25,-67.9 -6.8,-65.35 -10.305,-65.35 -14.24,-61.415 -14.24,-10.04 -11.219,-7.019 -4.419,-7.019 -1,-3.6 SLOT1.1@-1,-3.2
RSENS1: SLOT1.5 SLOT2.6 | length 87.4
  Top Layer w0.3: SLOT2.6@-1.45,-69.1 -1.48,-69.07 -1.48,-67.97 -2.65,-66.8 -3.5,-66.8 -6.28,-64.02 -9.778,-64.02 -13.025,-60.773 -13.025,-11.39 -10.245,-8.61 -3.71,-8.61 -1.18,-6.08 2.42,-6.08 3.425,-5.075 4.425,-5.075 5.4,-4.1 SLOT1.5@5.4,-3.2
RSENS2: SLOT2.7 | length 87.2
  Top Layer w0.3: SLOT2.7@-0.05,-69.1 -0.05,-68.55 -0.05,-67.75 -1.525,-66.275 -3.225,-66.275 -6,-63.5 -9.35,-63.5 -12.505,-60.345 -12.505,-11.605 -10.03,-9.13 -3.495,-9.13 -0.965,-6.6 3.375,-6.6 v2(3.825,-6.15)
  Bottom Layer w0.3: 3.8,-3.2 3.825,-3.225 v2(3.825,-6.15)
RSSR1: SLOT1.2 SLOT2.11 | length 86.9
  Top Layer w0.35: v2(0.5,-9.625) 0.425,-9.625 -2.45,-12.5 -8.598,-12.5 -10.025,-13.927 -10.025,-26.95 -7.7,-29.275 -7.7,-31.4 -10,-33.7 -10,-46.3 -8.674,-47.626 -8.674,-54.837 -7.549,-55.962 -7.549,-59.901 -6.833,-60.617 1.017,-60.617 3.6,-63.2 3.6,-65.775 5.55,-67.725 5.55,-68.55 SLOT2.11@5.55,-69.1
  Bottom Layer w0.35: v2(0.5,-9.625) 0.5,-3.6 0.625,-3.475 0.6,-3.45 SLOT1.2@0.6,-3.2
pads on no net: D4.2 Fid1.0 Fid2.0 REL1.3 REL2.3 T1.1 T1.2 T1.8

## Polygon pours and split planes (outlines as drawn)
GAC on Bottom Layer "gac_bot" (solid, remove dead copper, pour order 2): 14.726,-18.42 14.726,-14.229 24.505,-14.229 28.061,-17.785 28.061,-18.42 28.061,-22.103 28.315,-22.357 33.141,-27.183 33.141,-30.993 30.982,-30.993 30.855,-30.866 30.728,-30.739 30.728,-28.707 25.648,-28.707 25.521,-28.58 25.521,-20.96 20.06,-20.96 19.933,-20.833 19.933,-18.293 14.853,-18.293 14.726,-18.42
GND on Bottom Layer "gnd_bot" (solid, remove dead copper, pour order 4): 46.638,-3.987 46.75,-7.55 21,-7.55 21,-12.05 13.5,-12.05 9,-16.55 9,-18.55 9,-68.05 -14.25,-68.05 -14.25,-4.825 24.562,-4.825 24.562,-3.987

## Other copper
Top Layer:
  rectangle net 12VL: -5.15,-40.1 -0.775,-29.25
  rectangle net GND: -3.4,-20.45 0.8,-14.375
  rectangle net 12V: 9.925,-69.65 11.975,-64.375
Bottom Layer:
  rectangle net 12VL: -4.95,-42.4 -0.75,-29.258
  rectangle net GND: 7,-69.65 9,-65.9
  pour cut-out: 7.75,-60.8 7.75,-64.55 11.75,-64.55 11.75,-60.8

## Silkscreen, mask and mechanical layers (free items; w line width, h text height)
Top Overlay:
  drawing of 24 lines, arcs and shapes, not listed
  text "SPC1000-BB_V6" at -13.25,-9.8 h1 r270
Mechanical 2:
  lines w0.1: 16.25,-82.3 16.25,6.7
  lines w0.15: 15.83,-74.3 16.592,-74.3
Mechanical 4:
  lines w0.15: -13.35,-74.3 -13.35,0.7 ; -11.25,-74.3 cw(c-11.25,-75.3) -10.25,-75.3 -10.25,-79.2 42.75,-79.2 42.75,-75.3 cw(c43.75,-75.3) 43.75,-74.3 ; 45.85,-74.3 45.85,0.7 ; -10.754,-71.4 12.754,-71.4 12.754,-73.804 13.25,-74.3 32.25,-74.3 32.743,-73.807 32.743,-71.4 44.057,-71.4 44.057,-74.3 47.15,-74.3 47.15,0.7 45.25,0.7 cw(c45.25,1.7) 44.25,1.7 44.25,3.7 -11.75,3.7 -11.75,1.7 cw(c-12.75,1.7) -12.75,0.7 -14.65,0.7 -14.65,-74.3 -10.754,-74.3 -10.754,-71.4 ; -10.754,-71.4 -10.754,-71.4
Mechanical 5:
  lines w0.01: -2.503,-0.802 24.5,-0.8 ; -2.503,-2.45 24.5,-2.451 ; -2.503,-2.45 ccw(c-2.202,-2.451) -1.901,-2.452 23.897,-2.451 ccw(c24.199,-2.452) 24.5,-2.453 24.5,-0.804 ccw(c24.199,-0.803) 23.897,-0.802 -1.901,-0.802 ccw(c-2.202,-0.801) -2.503,-0.8 -2.503,-2.45
Mechanical 8:
  lines w0.1: -12.75,0.7 -14.65,0.7 -14.65,-74.3 -12.35,-74.3 ccw(c-12.35,-73.3) -11.35,-73.3 -11.35,-71.6 cw(c-10.35,-71.6) -10.35,-70.6 11.75,-70.6 cw(c11.75,-71.6) 12.75,-71.6 12.75,-73.05 ccw(c13.75,-73.05) 13.75,-74.05 31.65,-74.05 ccw(c31.65,-73.05) 32.65,-73.05 32.65,-71.6 cw(c33.65,-71.6) 33.65,-70.6 42.85,-70.6 cw(c42.85,-71.6) 43.85,-71.6 43.85,-73.293 ccw(c44.85,-73.293) 44.85,-74.293 47.143,-74.293 ; -12.743,0.7 ccw(c-12.743,1.7) -11.743,1.7 -11.743,3.2 35.25,3.2 35.25,-2.4 ccw(c36.25,-2.4) 36.25,-3.4 44.05,-3.4 ccw(c44.05,-2.4) 45.05,-2.4 45.05,0.7 47.15,0.7 47.15,-74.3

## Text inside footprints (layer, text, board x,y; h text height)
C2: Top Overlay "+" at 32.823,-42.731 h1.5 r90
C3: Top Overlay "+" at 1.303,-29.621 h1.5 r180
C4: Top Overlay "+" at -3.737,-48.417 h1.5 r180